# Altium PCB XTIDA-010086.PcbDoc (part 8 of 17)
Units mm, origin at the board's own origin, x right, y up, seen from the top; angles counter-clockwise.
Board outline 375 x 210 mm, 6 copper layers (Top Layer, GND Layer, Signal Layer 1, Signal Layer 2, Power Layer, Bottom Layer), stack 1.575 mm thick; 1884 components, 1036 nets, 4948 pads, 6791 vias.
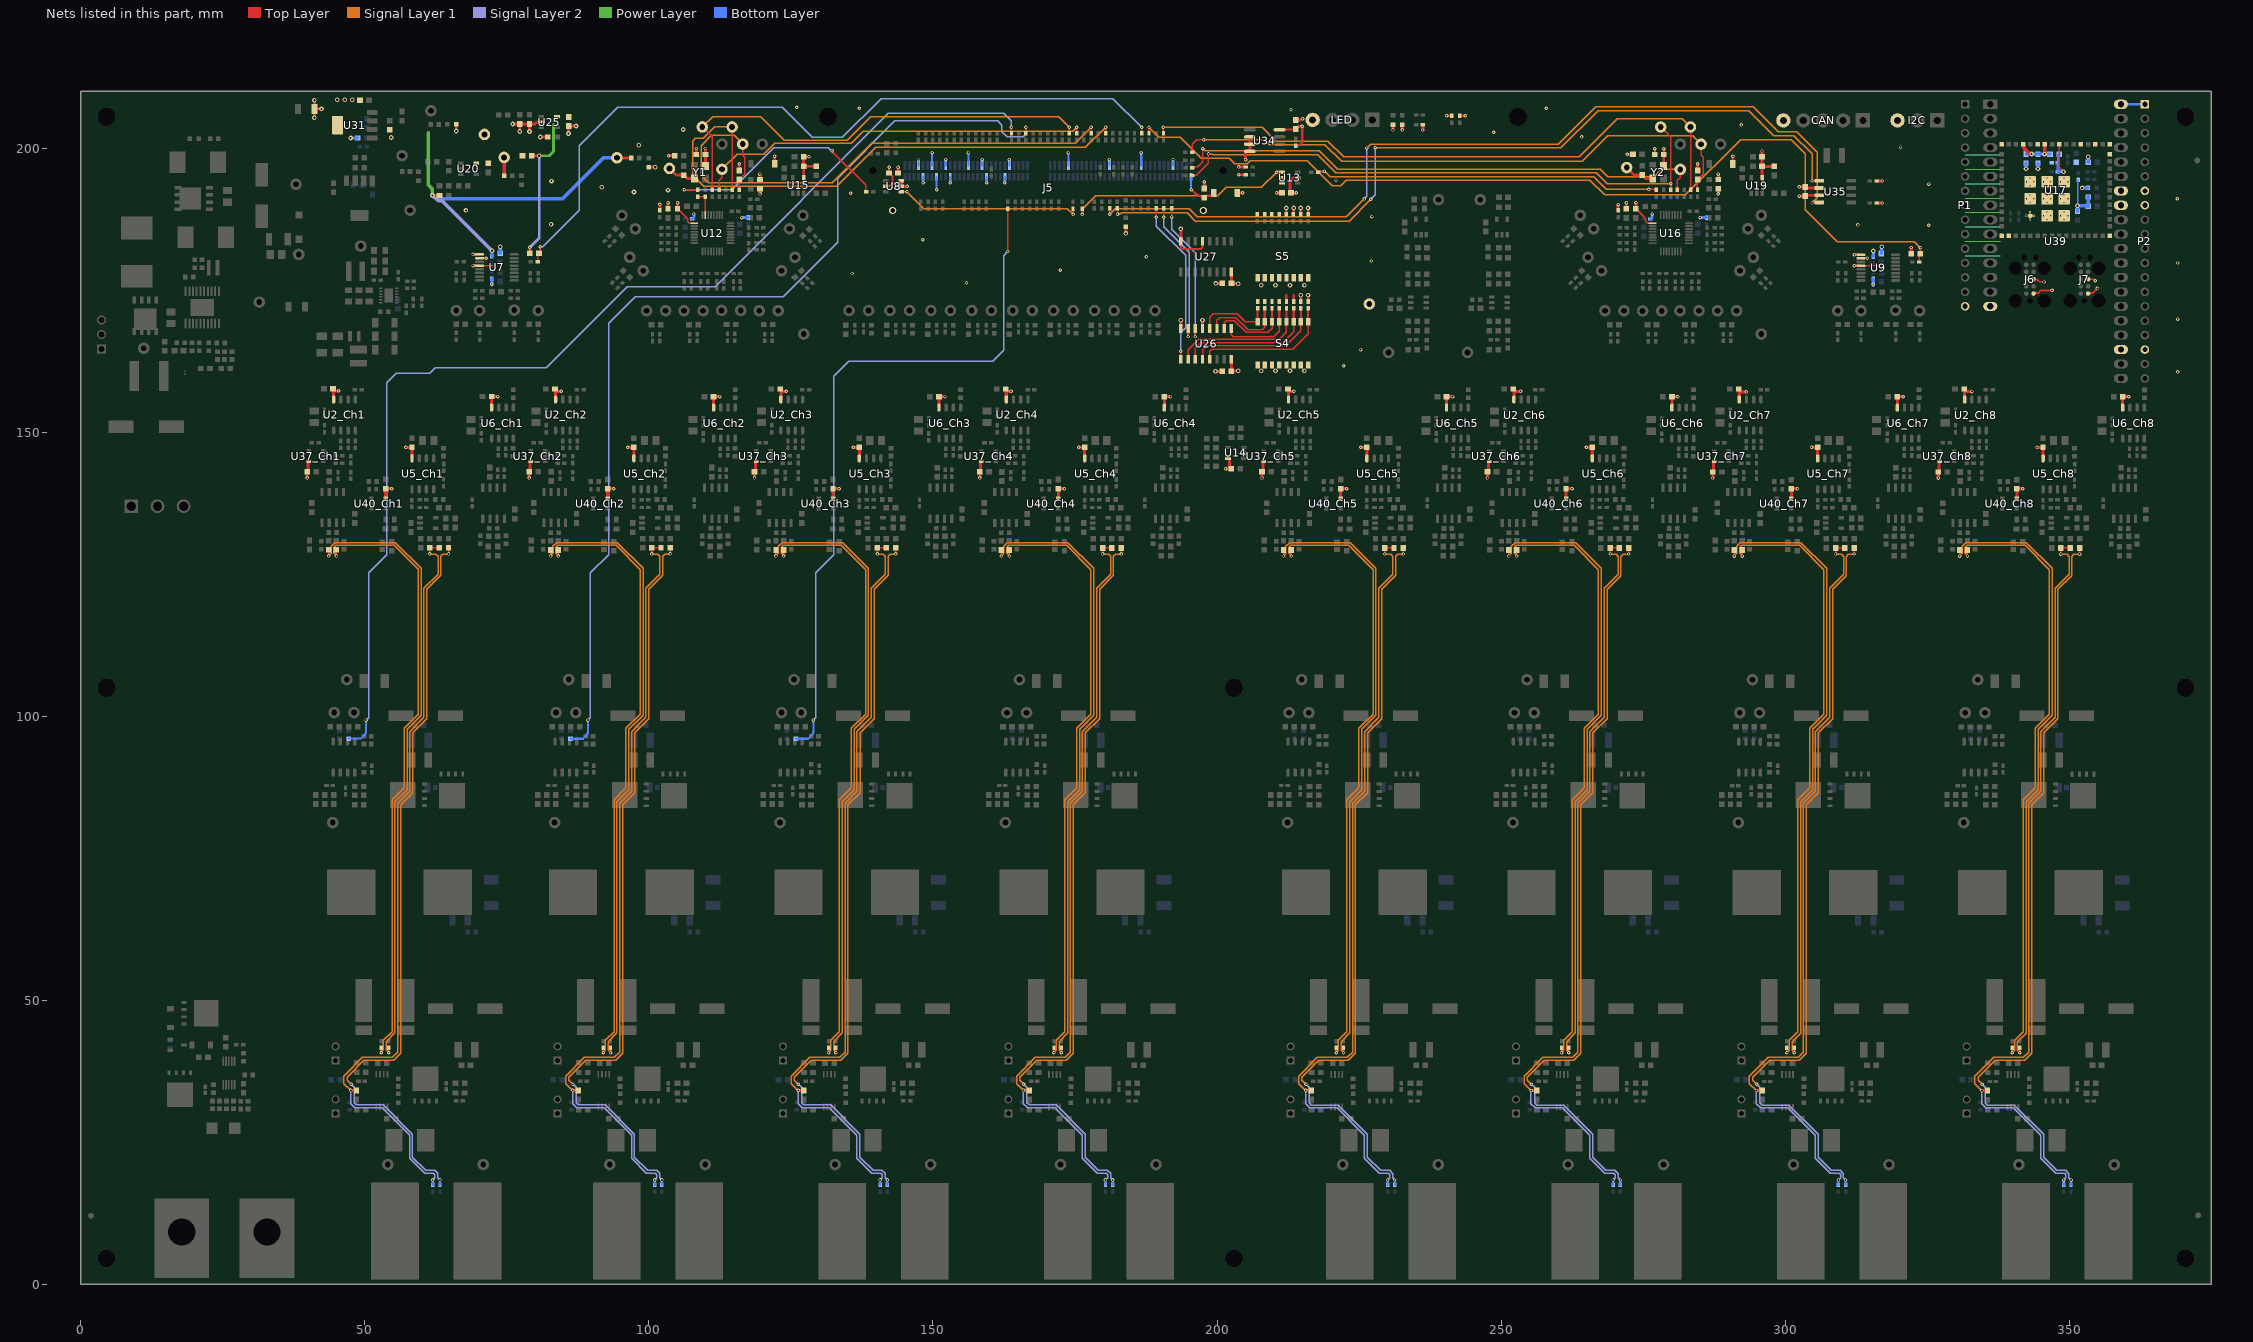
[diagram p12: the nets of this part, all layers, seen from the top]

## Via types
v1: diameter 0.813, hole 0.4, Top Layer to Bottom Layer, tented both sides, 4738 vias
v2: diameter 0.61, hole 0.3, Top Layer to Bottom Layer, tented both sides, 1254 vias
v3: diameter 0.813, hole 0.406, Top Layer to Bottom Layer, 728 vias
v4: diameter 0.5, hole 0.2, Top Layer to Bottom Layer, 40 vias
v5: diameter 5.45, hole 3.556, Top Layer to Bottom Layer, 16 vias
v6: diameter 5/3.65/3.65/3.65/3.65/5 (per signal layer), hole 3.2, Top Layer to Bottom Layer, 12 vias
v7: diameter 0.813, hole 0.4, Top Layer to Bottom Layer, 3 vias

## Nets (pads, with @x,y where several pads share a name; then routed paths per layer and width w, separated by ;. In a path a pad name is that pad's centre, name@x,y a point inside that pad or via, vN(x,y) a via of type N, cw(c..) or ccw(c..) an arc to the next point about the centre after c; other vN are vias at no path point) (continued)
AVDD: C14_Ch1.1 C14_Ch2.1 C14_Ch3.1 C14_Ch4.1 C14_Ch5.1 C14_Ch6.1 C14_Ch7.1 C14_Ch8.1 C25_Ch1.1 C25_Ch2.1 C25_Ch3.1 C25_Ch4.1 C25_Ch5.1 C25_Ch6.1 C25_Ch7.1 C25_Ch8.1 C36_Ch1.1 C36_Ch2.1 C36_Ch3.1 C36_Ch4.1 C36_Ch5.1 C36_Ch6.1 C36_Ch7.1 C36_Ch8.1 C79.1 C80.1 C100.1 C101.1 C103.1 C167_Ch1.1 C167_Ch2.1 C167_Ch3.1 C167_Ch4.1 C167_Ch5.1 C167_Ch6.1 C167_Ch7.1 C167_Ch8.1 C176.1 C182_Ch1.1 C182_Ch2.1 C182_Ch3.1 C182_Ch4.1 C182_Ch5.1 C182_Ch6.1 C182_Ch7.1 C182_Ch8.1 R115.1 R119.1 R146.1 R150.1 R160.1 R175.1 R177.2 R180.1 R181.2 R203.1 TP24.1 U2_Ch1.8 U2_Ch2.8 U2_Ch3.8 U2_Ch4.8 U2_Ch5.8 U2_Ch6.8 U2_Ch7.8 U2_Ch8.8 U5_Ch1.8 U5_Ch2.8 U5_Ch3.8 U5_Ch4.8 U5_Ch5.8 U5_Ch6.8 U5_Ch7.8 U5_Ch8.8 U6_Ch1.8 U6_Ch2.8 U6_Ch3.8 U6_Ch4.8 U6_Ch5.8 U6_Ch6.8 U6_Ch7.8 U6_Ch8.8 U14.5 U15.4 U19.4 U20.5 U37_Ch1.5 U37_Ch2.5 U37_Ch3.5 U37_Ch4.5 U37_Ch5.5 U37_Ch6.5 U37_Ch7.5 U37_Ch8.5 U40_Ch1.5 U40_Ch2.5 U40_Ch3.5 U40_Ch4.5 U40_Ch5.5 U40_Ch6.5 U40_Ch7.5 U40_Ch8.5 | length 144.4
  Top Layer w0.508: U15.4@127.247,194.783 127.247,196.776 C80.1@127.237,196.786 ; v2(128.179,198.453) 127.247,198.453 C79.1@127.237,198.462 C80.1@127.237,196.786 ; R177.2@129.438,196.812 129.413,196.786 C80.1@127.237,196.786 ; v2(295.936,199.471) C100.1@295.936,198.455 295.936,196.779 C101.1@295.946,196.768 ; U19.4@295.946,194.775 C101.1@295.946,196.768 ; R181.2@298.121,196.768 C101.1@295.946,196.768
  Top Layer w0.541: v2(39.845,141.921) C14_Ch1.1@39.845,142.987 39.99,143.132 39.99,144.798 39.994,144.803 U37_Ch1.5@40.119,144.803 ; C25_Ch1.1@44.396,157.589 44.487,157.497 44.487,155.746 U2_Ch1.8@44.498,155.735 ; C25_Ch1.1@44.608,157.377 44.733,157.251 v2(45.39,157.251) ; U40_Ch1.5@53.675,138.364 53.671,138.368 53.671,140.039 C182_Ch1.1@53.667,140.043 v2(54.734,140.043) ; v2(57.226,147.313) C36_Ch1.1@58.293,147.313 U5_Ch1.8@58.293,145.377 ; U6_Ch1.8@72.314,154.312 C167_Ch1.1@72.313,156.249 v2(73.38,156.249) ; v2(78.91,141.919) C14_Ch2.1@78.91,142.985 79.055,143.13 79.055,144.796 79.059,144.801 U37_Ch2.5@79.184,144.801 ; C25_Ch2.1@83.461,157.587 83.552,157.495 83.552,155.744 U2_Ch2.8@83.564,155.733 ; C25_Ch2.1@83.673,157.375 83.873,157.175 v2(84.557,157.175) ; U40_Ch2.5@92.74,138.362 92.736,138.366 92.736,140.037 C182_Ch2.1@92.732,140.041 v2(93.799,140.041) ; v2(96.291,147.311) C36_Ch2.1@97.358,147.311 U5_Ch2.8@97.358,145.375 ; U6_Ch2.8@111.379,154.31 C167_Ch2.1@111.378,156.247 v2(112.445,156.247) ; v2(118.585,141.917) C14_Ch3.1@118.585,142.983 118.73,143.128 118.73,144.794 118.734,144.799 U37_Ch3.5@118.859,144.799 ; C25_Ch3.1@123.136,157.585 123.227,157.493 123.227,155.742 U2_Ch3.8@123.238,155.731 ; C25_Ch3.1@123.348,157.373 123.547,157.173 v2(124.155,157.173) ; U40_Ch3.5@132.415,138.36 132.411,138.364 132.411,140.035 C182_Ch3.1@132.407,140.039 v2(133.474,140.039) ; v2(135.966,147.309) C36_Ch3.1@137.033,147.309 U5_Ch3.8@137.033,145.373 ; U6_Ch3.8@151.054,154.308 C167_Ch3.1@151.053,156.245 v2(152.12,156.245) ; v2(158.26,141.915) C14_Ch4.1@158.26,142.981 158.404,143.126 158.404,144.792 158.409,144.797 U37_Ch4.5@158.534,144.797 ; C25_Ch4.1@162.811,157.583 162.902,157.491 162.902,155.74 U2_Ch4.8@162.913,155.729 ; C25_Ch4.1@163.022,157.371 163.222,157.171 v2(163.754,157.171) ; U40_Ch4.5@172.09,138.358 172.086,138.362 172.086,140.033 C182_Ch4.1@172.082,140.037 v2(173.148,140.037) ; v2(175.641,147.307) C36_Ch4.1@176.708,147.307 U5_Ch4.8@176.708,145.371 ; U6_Ch4.8@190.728,154.306 C167_Ch4.1@190.728,156.243 v2(191.795,156.243) ; v2(201.503,143.538) C176.1@202.484,143.538 202.459,143.538 202.164,143.834 202.164,145.353 202.135,145.382 U14.5@201.935,145.382 ; v2(207.934,141.913) C14_Ch5.1@207.934,142.979 208.079,143.124 208.079,144.79 208.084,144.795 U37_Ch5.5@208.209,144.795 ; C25_Ch5.1@212.485,157.581 212.577,157.489 212.577,155.738 U2_Ch5.8@212.588,155.727 ; C25_Ch5.1@212.697,157.369 212.897,157.169 v2(213.538,157.169) ; U40_Ch5.5@221.765,138.356 221.761,138.36 221.761,140.031 C182_Ch5.1@221.756,140.035 v2(222.823,140.035) ; v2(225.316,147.305) C36_Ch5.1@226.383,147.305 U5_Ch5.8@226.383,145.369 ; U6_Ch5.8@240.403,154.304 C167_Ch5.1@240.403,156.241 v2(241.47,156.241) ; v2(247.609,141.911) C14_Ch6.1@247.609,142.977 247.754,143.122 247.754,144.788 247.758,144.793 U37_Ch6.5@247.883,144.793 ; C25_Ch6.1@252.16,157.579 252.252,157.487 252.252,155.736 U2_Ch6.8@252.263,155.725 ; C25_Ch6.1@252.372,157.367 252.564,157.175 v2(253.441,157.175) ; U40_Ch6.5@261.44,138.354 261.435,138.358 261.435,140.029 C182_Ch6.1@261.431,140.033 v2(262.498,140.033) ; v2(264.991,147.303) C36_Ch6.1@266.057,147.303 U5_Ch6.8@266.057,145.367 ; U6_Ch6.8@280.078,154.302 C167_Ch6.1@280.078,156.239 v2(281.144,156.239) ; v2(287.284,141.909) C14_Ch7.1@287.284,142.975 287.429,143.12 287.429,144.786 287.433,144.791 U37_Ch7.5@287.558,144.791 ; C25_Ch7.1@291.835,157.577 291.926,157.485 291.926,155.734 U2_Ch7.8@291.938,155.723 ; C25_Ch7.1@292.047,157.365 292.348,157.064 v2(293.167,157.064) ; U40_Ch7.5@301.114,138.352 301.11,138.356 301.11,140.027 C182_Ch7.1@301.106,140.031 v2(302.173,140.031) ; v2(304.665,147.301) C36_Ch7.1@305.732,147.301 U5_Ch7.8@305.732,145.365 ; U6_Ch7.8@319.753,154.3 C167_Ch7.1@319.752,156.237 ; C167_Ch7.1@319.752,156.237 v2(320.819,156.237) ; v2(326.959,141.907) C14_Ch8.1@326.959,142.973 327.104,143.118 327.104,144.784 327.108,144.789 U37_Ch8.5@327.233,144.789 ; C25_Ch8.1@331.51,157.575 331.601,157.483 331.601,155.732 U2_Ch8.8@331.612,155.721 ; C25_Ch8.1@331.722,157.363 331.96,157.124 v2(332.892,157.124) ; U40_Ch8.5@340.789,138.35 340.785,138.354 340.785,140.025 C182_Ch8.1@340.781,140.029 v2(341.848,140.029) ; v2(344.34,147.299) C36_Ch8.1@345.407,147.299 U5_Ch8.8@345.407,145.363 ; U6_Ch8.8@359.428,154.298 359.428,156.235 v2(360.494,156.235)
  Top Layer w0.635: R180.1@74.508,195.109 TP24.1@74.508,198.335
  Bottom Layer w0.508: R115.1@107.598,187.519 107.913,187.833 v2(107.913,188.383) ; v2(116.355,187.763) R119.1@117.463,187.763 ; R146.1@276.297,187.511 276.612,187.825 v2(276.612,188.375) ; v2(285.054,187.755) R150.1@286.162,187.755
  Bottom Layer w0.541: v2@72.349,175.87 v2(72.349,176.022) R160.1@72.349,176.99 ; v2@315.515,175.839 v2(315.515,175.992) R175.1@315.515,176.96
B+_Ch1: C52_Ch1.1 R10_Ch1.1 R44_Ch1.2 R64_Ch1.1 | length 136.4
  Top Layer w0.254: v2(61.443,128.542) R64_Ch1.1@61.443,129.609 C52_Ch1.1@63.068,129.609
  Top Layer w0.508: v2(47.539,34.105) R44_Ch1.2@48.523,34.105
  Signal Layer 1 w0.254: v2(47.539,34.105) 47.473,34.105 46.294,35.284 46.294,36.637 49.58,39.923 54.842,39.923 55.778,40.859 55.778,84.666 57.887,86.774 57.887,97.269 60.401,99.783 60.401,122.53 62.883,125.011 62.883,128.102 62.511,128.474 61.511,128.474 v2(61.443,128.542)
  Signal Layer 2 w0.254: v2@47.502,34.105 47.502,32.848 47.502,31.788 48.251,31.039 53.035,31.039 57.872,26.202 57.872,22.156 60.496,19.533 62.078,19.533 62.332,19.279 62.332,18.728 v2(61.951,18.347)
  Bottom Layer w0.381: R10_Ch1.1@61.951,17.491 v2(61.951,18.347)
B+_Ch2: C52_Ch2.1 R10_Ch2.1 R44_Ch2.2 R64_Ch2.1 | length 136.4
  Top Layer w0.254: v2(100.508,128.54) R64_Ch2.1@100.508,129.607 C52_Ch2.1@102.133,129.607
  Top Layer w0.508: v2(86.604,34.103) R44_Ch2.2@87.588,34.103
  Signal Layer 1 w0.254: v2(86.604,34.103) 86.539,34.103 85.359,35.282 85.359,36.635 88.645,39.921 93.907,39.921 94.844,40.857 94.844,84.664 96.952,86.772 96.952,97.267 99.466,99.781 99.466,122.528 101.948,125.009 101.948,128.1 101.576,128.472 100.576,128.472 v2(100.508,128.54)
  Signal Layer 2 w0.254: v2@86.567,34.103 86.567,32.846 86.567,31.786 87.316,31.037 92.1,31.037 96.937,26.2 96.937,22.154 99.561,19.531 101.143,19.531 101.397,19.277 101.397,18.726 v2(101.016,18.345)
  Bottom Layer w0.381: R10_Ch2.1@101.016,17.489 v2(101.016,18.345)
B+_Ch3: C52_Ch3.1 R10_Ch3.1 R44_Ch3.2 R64_Ch3.1 | length 136.4
  Top Layer w0.254: v2(140.183,128.538) R64_Ch3.1@140.183,129.605 C52_Ch3.1@141.808,129.605
  Top Layer w0.508: v2(126.279,34.101) R44_Ch3.2@127.263,34.101
  Signal Layer 1 w0.254: v2(126.279,34.101) 126.213,34.101 125.034,35.28 125.034,36.633 128.32,39.919 133.582,39.919 134.518,40.855 134.518,84.662 136.627,86.77 136.627,97.265 139.141,99.779 139.141,122.526 141.623,125.007 141.623,128.098 141.251,128.47 140.251,128.47 v2(140.183,128.538)
  Signal Layer 2 w0.254: v2@126.242,34.101 126.242,32.844 126.242,31.784 126.991,31.035 131.775,31.035 136.612,26.198 136.612,22.152 139.236,19.529 140.818,19.529 141.072,19.275 141.072,18.724 v2(140.691,18.343)
  Bottom Layer w0.381: R10_Ch3.1@140.691,17.487 v2(140.691,18.343)
B+_Ch4: C52_Ch4.1 R10_Ch4.1 R44_Ch4.2 R64_Ch4.1 | length 136.4
  Top Layer w0.254: v2(179.857,128.536) R64_Ch4.1@179.857,129.603 C52_Ch4.1@181.483,129.603
  Top Layer w0.508: v2(165.954,34.099) R44_Ch4.2@166.938,34.099
  Signal Layer 1 w0.254: v2(165.954,34.099) 165.888,34.099 164.709,35.278 164.709,36.631 167.994,39.917 173.257,39.917 174.193,40.853 174.193,84.66 176.301,86.768 176.301,97.263 178.816,99.777 178.816,122.524 181.298,125.005 181.298,128.096 180.926,128.468 179.925,128.468 v2(179.857,128.536)
  Signal Layer 2 w0.254: v2@165.917,34.099 165.917,32.842 165.917,31.782 166.666,31.033 171.45,31.033 176.287,26.196 176.287,22.15 178.91,19.527 180.492,19.527 180.746,19.273 180.746,18.722 v2(180.365,18.341)
  Bottom Layer w0.381: R10_Ch4.1@180.365,17.485 v2(180.365,18.341)
B+_Ch5: C52_Ch5.1 R10_Ch5.1 R44_Ch5.2 R64_Ch5.1 | length 136.4
  Top Layer w0.254: v2(229.532,128.534) R64_Ch5.1@229.532,129.601 C52_Ch5.1@231.158,129.601
  Top Layer w0.508: v2(215.629,34.097) R44_Ch5.2@216.612,34.097
  Signal Layer 1 w0.254: v2(215.629,34.097) 215.563,34.097 214.384,35.276 214.384,36.629 217.669,39.915 222.932,39.915 223.868,40.851 223.868,84.658 225.976,86.766 225.976,97.261 228.491,99.775 228.491,122.522 230.972,125.003 230.972,128.094 230.6,128.466 229.6,128.466 v2(229.532,128.534)
  Signal Layer 2 w0.254: v2@215.591,34.097 215.591,32.84 215.591,31.78 216.341,31.031 221.125,31.031 225.962,26.194 225.962,22.148 228.585,19.525 230.167,19.525 230.421,19.271 230.421,18.72 v2(230.04,18.339)
  Bottom Layer w0.381: R10_Ch5.1@230.04,17.483 v2(230.04,18.339)
B+_Ch6: C52_Ch6.1 R10_Ch6.1 R44_Ch6.2 R64_Ch6.1 | length 136.4
  Top Layer w0.254: v2(269.207,128.532) R64_Ch6.1@269.207,129.599 C52_Ch6.1@270.833,129.599
  Top Layer w0.508: v2(255.304,34.095) R44_Ch6.2@256.287,34.095
  Signal Layer 1 w0.254: v2(255.304,34.095) 255.238,34.095 254.059,35.274 254.059,36.627 257.344,39.913 262.606,39.913 263.543,40.849 263.543,84.656 265.651,86.764 265.651,97.259 268.166,99.773 268.166,122.52 270.647,125.001 270.647,128.092 270.275,128.464 269.275,128.464 v2(269.207,128.532)
  Signal Layer 2 w0.254: v2@255.266,34.095 255.266,32.838 255.266,31.778 256.016,31.029 260.8,31.029 265.636,26.192 265.636,22.146 268.26,19.523 269.842,19.523 270.096,19.269 270.096,18.718 v2(269.715,18.337)
  Bottom Layer w0.381: R10_Ch6.1@269.715,17.481 v2(269.715,18.337)
B+_Ch7: C52_Ch7.1 R10_Ch7.1 R44_Ch7.2 R64_Ch7.1 | length 136.4
  Top Layer w0.254: v2(308.882,128.53) R64_Ch7.1@308.882,129.597 C52_Ch7.1@310.507,129.597
  Top Layer w0.508: v2(294.978,34.093) R44_Ch7.2@295.962,34.093
  Signal Layer 1 w0.254: v2(294.978,34.093) 294.913,34.093 293.733,35.272 293.733,36.625 297.019,39.911 302.281,39.911 303.218,40.847 303.218,84.654 305.326,86.762 305.326,97.257 307.84,99.771 307.84,122.518 310.322,124.999 310.322,128.09 309.95,128.462 308.95,128.462 v2(308.882,128.53)
  Signal Layer 2 w0.254: v2@294.941,34.093 294.941,32.836 294.941,31.776 295.69,31.027 300.474,31.027 305.311,26.19 305.311,22.144 307.935,19.521 309.517,19.521 309.771,19.267 309.771,18.716 v2(309.39,18.335)
  Bottom Layer w0.381: R10_Ch7.1@309.39,17.479 v2(309.39,18.335)
B+_Ch8: C52_Ch8.1 R10_Ch8.1 R44_Ch8.2 R64_Ch8.1 | length 136.4
  Top Layer w0.254: v2(348.557,128.528) R64_Ch8.1@348.557,129.595 C52_Ch8.1@350.182,129.595
  Top Layer w0.508: v2(334.653,34.091) R44_Ch8.2@335.637,34.091
  Signal Layer 1 w0.254: v2(334.653,34.091) 334.587,34.091 333.408,35.27 333.408,36.623 336.694,39.909 341.956,39.909 342.892,40.845 342.892,84.652 345.001,86.76 345.001,97.255 347.515,99.769 347.515,122.516 349.997,124.997 349.997,128.088 349.625,128.46 348.625,128.46 v2(348.557,128.528)
  Signal Layer 2 w0.254: v2@334.616,34.091 334.616,32.834 334.616,31.774 335.365,31.025 340.149,31.025 344.986,26.188 344.986,22.142 347.61,19.519 349.192,19.519 349.446,19.265 349.446,18.714 v2(349.065,18.333)
  Bottom Layer w0.381: R10_Ch8.1@349.065,17.477 v2(349.065,18.333)
B-_Ch1: R20_Ch1.2 R70_Ch1.1 | length 133.6
  Top Layer w0.254: v2(64.719,128.542) R70_Ch1.1@64.719,129.609
  Signal Layer 1 w0.254: v2(47.57,35.199) 46.861,35.908 46.861,36.434 49.842,39.415 55.052,39.415 56.286,40.649 56.286,84.402 58.42,86.535 58.42,97.084 60.909,99.573 60.909,122.319 63.348,124.758 63.348,128.102 63.721,128.476 64.653,128.476 v2(64.719,128.542)
  Signal Layer 2 w0.254: v2(47.57,35.199) 48.133,34.636 48.133,31.919 48.505,31.547 53.246,31.547 58.38,26.412 58.38,22.367 60.706,20.041 62.288,20.041 62.84,19.489 62.84,18.728 v2(63.221,18.347)
  Bottom Layer w0.381: R20_Ch1.2@63.221,17.491 v2(63.221,18.347)
B-_Ch2: R20_Ch2.2 R70_Ch2.1 | length 133.6
  Top Layer w0.254: v2(103.784,128.54) R70_Ch2.1@103.784,129.607
  Signal Layer 1 w0.254: v2(86.635,35.197) 85.926,35.906 85.926,36.432 88.907,39.413 94.118,39.413 95.352,40.647 95.352,84.4 97.485,86.533 97.485,97.082 99.974,99.571 99.974,122.317 102.413,124.756 102.413,128.1 102.786,128.474 103.718,128.474 v2(103.784,128.54)
  Signal Layer 2 w0.254: v2(86.635,35.197) 87.198,34.634 87.198,31.917 87.57,31.545 92.311,31.545 97.445,26.41 97.445,22.365 99.771,20.039 101.353,20.039 101.905,19.487 101.905,18.726 v2(102.286,18.345)
  Bottom Layer w0.381: R20_Ch2.2@102.286,17.489 v2(102.286,18.345)
B-_Ch3: R20_Ch3.2 R70_Ch3.1 | length 133.6
  Top Layer w0.254: v2(143.459,128.538) R70_Ch3.1@143.459,129.605
  Signal Layer 1 w0.254: v2(126.31,35.195) 125.601,35.904 125.601,36.43 128.582,39.411 133.792,39.411 135.026,40.645 135.026,84.398 137.16,86.531 137.16,97.08 139.649,99.569 139.649,122.315 142.088,124.754 142.088,128.098 142.461,128.472 143.393,128.472 v2(143.459,128.538)
  Signal Layer 2 w0.254: v2(126.31,35.195) 126.873,34.632 126.873,31.915 127.245,31.543 131.986,31.543 137.12,26.408 137.12,22.363 139.446,20.037 141.028,20.037 141.58,19.485 141.58,18.724 v2(141.961,18.343)
  Bottom Layer w0.381: R20_Ch3.2@141.961,17.487 v2(141.961,18.343)
B-_Ch4: R20_Ch4.2 R70_Ch4.1 | length 133.6
  Top Layer w0.254: v2(183.134,128.536) R70_Ch4.1@183.134,129.603
  Signal Layer 1 w0.254: v2(165.985,35.193) 165.276,35.902 165.276,36.428 168.257,39.409 173.467,39.409 174.701,40.643 174.701,84.396 176.835,86.529 176.835,97.078 179.324,99.567 179.324,122.313 181.762,124.752 181.762,128.096 182.136,128.47 183.067,128.47 v2(183.134,128.536)
  Signal Layer 2 w0.254: v2(165.985,35.193) 166.548,34.63 166.548,31.913 166.92,31.541 171.66,31.541 176.795,26.406 176.795,22.361 179.121,20.035 180.703,20.035 181.254,19.483 181.254,18.722 v2(181.635,18.341)
  Bottom Layer w0.381: R20_Ch4.2@181.635,17.485 v2(181.635,18.341)
B-_Ch5: R20_Ch5.2 R70_Ch5.1 | length 133.6
  Top Layer w0.254: v2(232.809,128.534) R70_Ch5.1@232.809,129.601
  Signal Layer 1 w0.254: v2(215.66,35.191) 214.951,35.9 214.951,36.426 217.931,39.407 223.142,39.407 224.376,40.641 224.376,84.394 226.51,86.527 226.51,97.076 228.999,99.565 228.999,122.311 231.437,124.75 231.437,128.094 231.811,128.468 232.742,128.468 v2(232.809,128.534)
  Signal Layer 2 w0.254: v2(215.66,35.191) 216.223,34.628 216.223,31.911 216.595,31.539 221.335,31.539 226.47,26.404 226.47,22.359 228.796,20.033 230.378,20.033 230.929,19.481 230.929,18.72 v2(231.31,18.339)
  Bottom Layer w0.381: R20_Ch5.2@231.31,17.483 v2(231.31,18.339)
B-_Ch6: R20_Ch6.2 R70_Ch6.1 | length 133.6
  Top Layer w0.254: v2(272.484,128.532) R70_Ch6.1@272.484,129.599
  Signal Layer 1 w0.254: v2(255.335,35.189) 254.625,35.898 254.625,36.424 257.606,39.405 262.817,39.405 264.051,40.639 264.051,84.392 266.184,86.525 266.184,97.074 268.674,99.563 268.674,122.309 271.112,124.748 271.112,128.092 271.485,128.466 272.417,128.466 v2(272.484,128.532)
  Signal Layer 2 w0.254: v2(255.335,35.189) 255.897,34.626 255.897,31.909 256.269,31.537 261.01,31.537 266.144,26.402 266.144,22.357 268.47,20.031 270.052,20.031 270.604,19.479 270.604,18.718 v2(270.985,18.337)
  Bottom Layer w0.381: R20_Ch6.2@270.985,17.481 v2(270.985,18.337)
B-_Ch7: R20_Ch7.2 R70_Ch7.1 | length 133.6
  Top Layer w0.254: v2(312.158,128.53) R70_Ch7.1@312.158,129.597
  Signal Layer 1 w0.254: v2(295.009,35.187) 294.3,35.896 294.3,36.422 297.281,39.403 302.492,39.403 303.726,40.637 303.726,84.39 305.859,86.523 305.859,97.072 308.348,99.561 308.348,122.307 310.787,124.746 310.787,128.09 311.16,128.464 312.092,128.464 v2(312.158,128.53)
  Signal Layer 2 w0.254: v2(295.009,35.187) 295.572,34.624 295.572,31.907 295.944,31.535 300.685,31.535 305.819,26.4 305.819,22.355 308.145,20.029 309.727,20.029 310.279,19.477 310.279,18.716 v2(310.66,18.335)
  Bottom Layer w0.381: R20_Ch7.2@310.66,17.479 v2(310.66,18.335)
B-_Ch8: R20_Ch8.2 R70_Ch8.1 | length 133.6
  Top Layer w0.254: v2(351.833,128.528) R70_Ch8.1@351.833,129.595
  Signal Layer 1 w0.254: v2(334.684,35.185) 333.975,35.894 333.975,36.42 336.956,39.401 342.166,39.401 343.4,40.635 343.4,84.388 345.534,86.521 345.534,97.07 348.023,99.559 348.023,122.305 350.462,124.744 350.462,128.088 350.835,128.462 351.767,128.462 v2(351.833,128.528)
  Signal Layer 2 w0.254: v2(334.684,35.185) 335.247,34.622 335.247,31.905 335.619,31.533 340.36,31.533 345.494,26.398 345.494,22.353 347.82,20.027 349.402,20.027 349.954,19.475 349.954,18.714 v2(350.335,18.333)
  Bottom Layer w0.381: R20_Ch8.2@350.335,17.477 v2(350.335,18.333)
C2000_CLK_1: R95.2 R304.2 | length 41.3
  Top Layer w0.254: v2(106.251,192.634) R95.2@108.572,192.634 ; v2@132.204,199.464 138.15,193.518 138.15,192.426 R304.2@138.275,192.302
  Signal Layer 2 w0.254: v2(106.251,192.634) 114.585,192.634 122.001,200.05 131.577,200.05 132.136,199.492 v2(132.232,199.492)
C2000_CLK_2: R126.2 R305.2 | length 60.9
  Top Layer w0.254: v2(275.996,192.71) 277.219,192.71 R126.2@277.287,192.642
  Top Layer w0.381: R305.2@217.818,195.745 217.928,195.854 218.729,195.854 218.82,195.945 v2(218.881,195.945)
  Signal Layer 1 w0.254: v2(218.881,195.945) 218.978,195.945 219.953,194.97 266.346,194.97 268.561,192.756 275.95,192.756 v2(275.996,192.71)
C2000_RESET2: C126.1 J5.1 S6.1 | length 7.2
  Top Layer w0.381: v2@195.451,192.659 cw(c195.009,191.815) 195.684,192.487 196.069,192.102 ccw(c197.626,193.652) 197.34,191.473 cw(c197.216,190.529) 197.779,191.297 C126.1@197.785,191.293 ; C126.1@197.779,191.262 197.779,191.287 C126.1@197.785,191.293 ; C126.1@197.799,191.282 197.797,191.284 197.796,191.285 C126.1@197.785,191.293 ; S6.1@199.437,192.102 199.437,191.877 199.152,191.593 198.11,191.593 198.088,191.572 198.063,191.572 C126.1@197.785,191.293
  Bottom Layer w0.381: v2(195.45,192.659) J5.1@195.45,194.925
CANRXA: R289.1 U35.4 | length 153.6
  Top Layer w0.254: v2(181.121,188.338) R289.1@181.121,189.364 ; v2(304.733,190.322) 305.912,190.322 U35.4@306.014,190.424
  Signal Layer 1 w0.254: v2(181.121,188.338) 182.092,189.308 195.07,189.308 196.493,187.886 222.765,187.886 v2(225.911,191.031) ; v2(226.352,199.987) 227.025,200.66 260.063,200.66 266.692,207.289 294.386,207.289 298.78,202.895 302.082,202.895 305.689,199.288 305.689,191.278 v2(304.733,190.322)
  Signal Layer 2 w0.254: v2(225.911,191.031) 226.352,191.473 v2(226.352,199.987)
CANTXA: R27.1 U35.1 | length 146.1
  Top Layer w0.254: v2(182.487,188.338) R27.1@182.487,189.364 ; v2(304.733,194.247) 306.001,194.247 U35.1@306.014,194.234
  Signal Layer 1 w0.254: v2(182.487,188.338) 182.555,188.406 183.076,188.406 183.24,188.57 194.764,188.57 196.187,187.147 223.249,187.147 v2(227.06,190.957) ; v2(227.863,200.05) 260.546,200.05 267.073,206.578 293.574,206.578 297.968,202.184 301.549,202.184 304.749,198.984 v2@304.749,194.192
  Signal Layer 2 w0.254: v2(227.06,190.957) 227.863,191.761 v2(227.863,200.05)
CC3220.Reset: D12.2 D13.2 R306.1 U17.35 | length 9.3